# KiCad board control.kicad_pcb (continued)
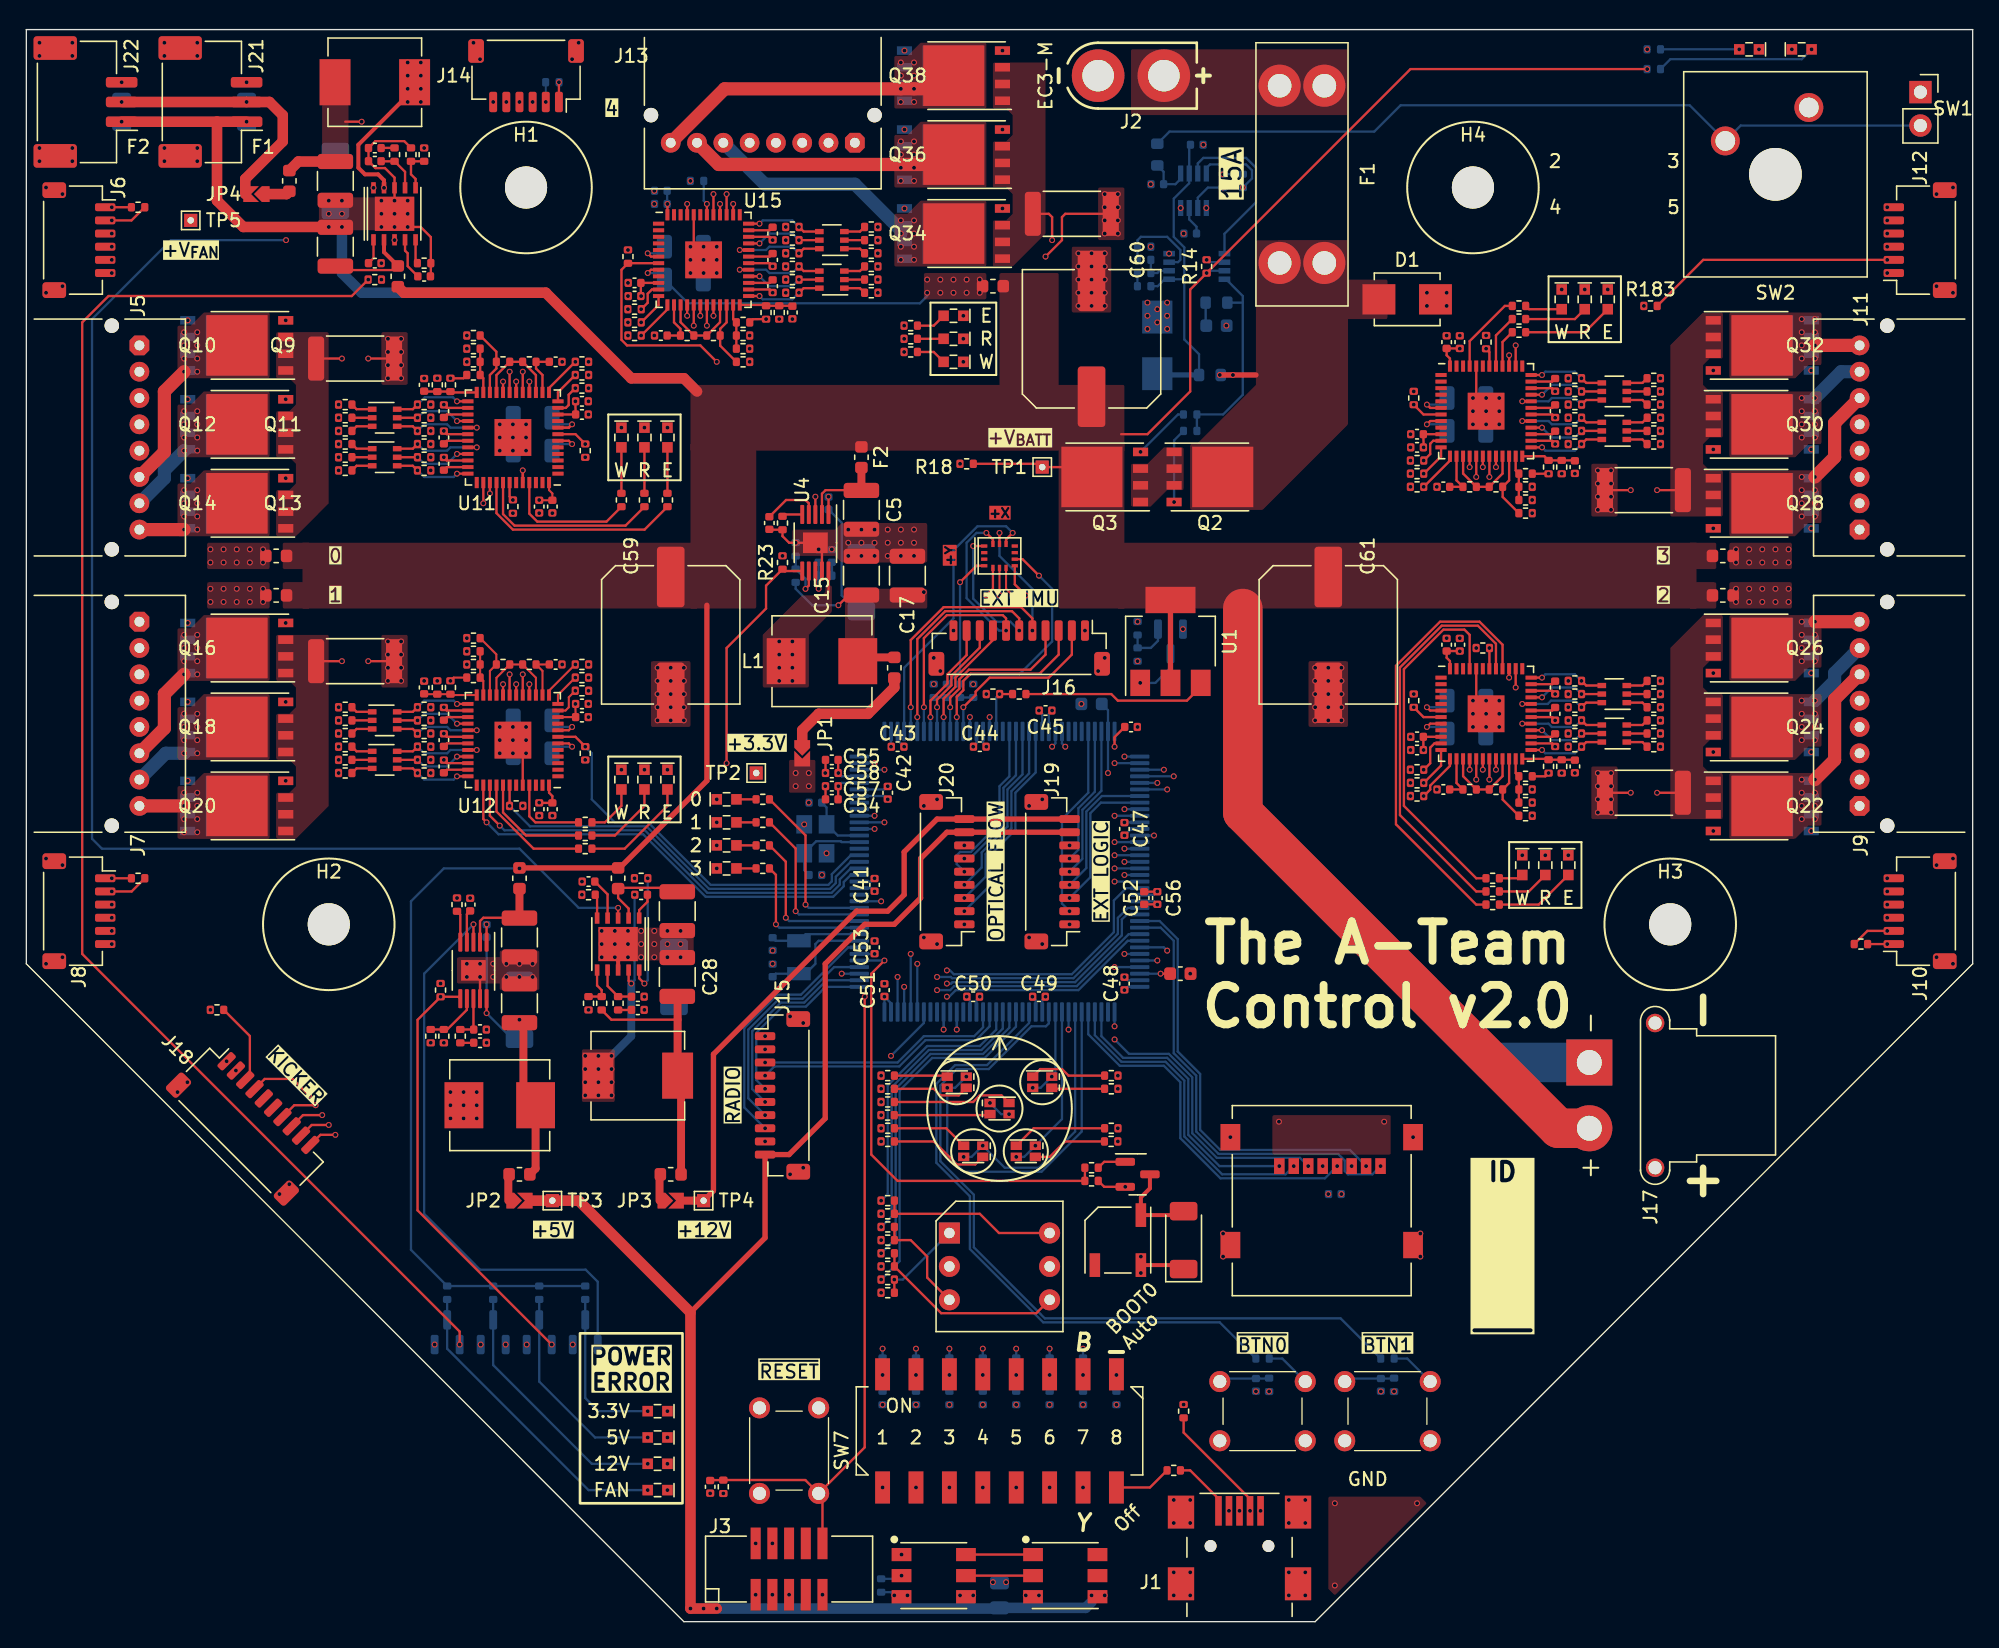
[diagram p0: board, top side]
## Routing (per net, layer and track width the routed paths; a pad name or vN(x,y) marks a point on that pad's centre or on a via; arc(x,y) is an arc through that point) (continued)
/Motors/MotorDRB/LED_{FW_READY}: length 23.8
  Top w0.175: U15.41 v1(52.25,108.5)
  In1.Cu w0.175: v1(66.75,97.5) 64.35,99.9 55.43,99.9 53.45,101.87 53.45,106.3 52.25,107.5 v1(52.25,108.5)
/Motors/MotorDRB/LED_{WARN}: length 24.6
  Top w0.175: U15.45 v1(50.25,107.75)
  In1.Cu w0.175: v1(50.25,107.75) 50.75,107.25 52.07,107.25 53.15,106.18 53.15,101.75 55.3,99.59 63.66,99.59 v1(66.75,96.5)
/Motors/MotorDRB/MOTOR_{U}: length 37
  Top w0.175: U15.34 56.52,105.25 C112.2
  Top w1: J13.8 53.1,116.5 v1(66.5,116.5) v1(67.5,116.5) 69.53,116.5 Q38.5
  In1.Cu w0.175: v1(56.75,105) 56.75,106 52.5,110.25 51.15,110.25 J13.8
  vias: v1(66.5,118.5) v1(66.5,117.5) v1(66.5,115.5) v1(67.5,118.5) v1(67.5,117.5) v1(67.5,115.5)
/Motors/MotorDRB/MOTOR_{V}: length 34.6
  Top w0.175: U15.30 56.52,103.25 C113.2
  Top w1: Q36.5 69.78,110.75 52.65,110.75 J13.7
  In1.Cu w0.175: v1(56.75,103) 57.25,103.5 57.25,106.15 J13.7
  vias: v1(66.5,112.5) v1(66.5,111.5) v1(66.5,110.5) v1(66.5,109.5) v1(67.5,112.5) v1(67.5,111.5) v1(67.5,110.5) v1(67.5,109.5)
/Motors/MotorDRB/MOTOR_{W}: length 31.8
  Top w0.175: U15.26 56.52,101.25 C114.2
  In4.Cu w0.175: J13.6 57.25,108.15 57.25,101.5 v1(56.75,101)
  Bottom w1: v1(66.5,105.5) 66.5,105.75 63,109.25 56.15,109.25 J13.6
  vias: v1(66.5,106.5) v1(66.5,104.5) v1(66.5,103.5) v1(67.5,106.5) v1(67.5,105.5) v1(67.5,104.5) v1(67.5,103.5)
/Motors/MotorDRB/V_{MOTOR}: length 23.6
  Top w0.175: v1(47.25,102.5) 47.5,102.75 U15.8
  Bottom w0.175: v1(47.25,102.5) 48.03,102.5 C106.1 50.33,100.2 67.95,100.2 68.5,100.75 v1(68.5,101)
  vias: v1(68.5,102) v1(69.5,102) v1(69.5,101) v1(70.5,102) v1(70.5,101) v1(71.5,102) v1(71.5,101) v1(72.5,102) v1(72.5,101)
/Motors/MotorFL/ENCODER_{A}: length 37.4
  Top w0.175: U11.17 v1(37.75,95)
  In1.Cu w0.175: v1(6.5,105.5) 11.15,100.85 21,100.85 22.75,99.1 34,99.1 37.75,95.35 v1(37.75,95)
/Motors/MotorFL/ENCODER_{B}: length 36.5
  Top w0.175: U11.18 v1(37.25,94.25)
  In1.Cu w0.175: v1(6.5,104.5) 10.45,100.55 20.88,100.55 22.63,98.8 33.88,98.8 37.25,95.43 v1(37.25,94.25)
/Motors/MotorFL/ENCODER_{Z}: length 35.6
  Top w0.175: U11.19 v1(36.75,95)
  In1.Cu w0.175: v1(36.75,95) 36.75,95.5 33.75,98.5 22.5,98.5 20.75,100.25 9.75,100.25 v1(6.5,103.5)
/Motors/MotorFL/ENCODER_{~{DET}}: length 41.7
  Top w0.175: J6.2 8,106.5 9,107.5 R93.1 ; U11.16 v1(38.25,94.25)
  In1.Cu w0.175: v1(6.5,106.5) 11.84,101.16 21.13,101.16 22.88,99.41 34.13,99.41 38.25,95.28 v1(38.25,94.25)
/Motors/MotorFL/HALL_{1}: length 42.8
  Top w0.175: R94.2 41.24,93.25 41.24,92.47 41.03,92.25 U11.11 ; R94.2 v1(41.75,93.75) 41.75,93.76 R94.2
  In4.Cu w0.175: v1(41.75,93.75) 40.5,93.75 34.5,99.75 12,99.75 11.25,99 11.25,95.65 J5.3
/Motors/MotorFL/HALL_{2}: length 46.3
  Top w0.175: R96.2 41.75,94.76 v1(41.75,94.75) R96.2 ; R96.2 40.42,93.44 U11.12
  In4.Cu w0.175: v1(41.75,94.75) 40,94.75 34.7,100.05 11.87,100.05 10.95,99.13 10.95,95.95 9,94 8.24,94 7.64,93.4 7.64,91.96 J5.4
/Motors/MotorFL/HALL_{3}: length 41.7
  Top w0.175: R98.2 v1(41.75,95.75) 41.75,95.76 R98.2 ; R98.2 39.75,93.76 U11.13
  In4.Cu w0.175: v1(41.75,95.75) 41.25,96.25 39,96.25 34.9,100.35 11.75,100.35 10.65,99.25 10.65,97.05 J5.2
/Motors/MotorFL/I_{SENSE(AMPLIFIED)}: length 6.2
  Top w0.175: U11.21 35.75,94.74 R104.2 R105.1 38.75,94.74 38.75,93.67
/Motors/MotorFL/I_{SENSE(FILTERED)}: length 3.3
  Top w0.175: C71.1 R105.2 38.76,95.24 39.25,94.75 39.25,93.67
/Motors/MotorFL/I_{SENSE(RAW)}: length 12.2
  Top w0.175: R100.1 33.24,94.5 v1(32.25,94.5) R119.1 ; R118.1 v1(24,96)
  In1.Cu w0.175: v1(32.25,94.5) 31.75,95 25,95 v1(24,96)
/Motors/MotorFL/LED_{ERROR}: length 16.6
  Top w0.175: U11.40 35.75,84.25 37,83 47.01,83 R99.1
/Motors/MotorFL/LED_{FW_READY}: length 14.1
  Top w0.175: U11.41 36.25,84.18 37.12,83.3 45.56,83.3 R97.1
/Motors/MotorFL/LED_{WARN}: length 10.1
  Top w0.175: U11.45 38.25,84.21 38.85,83.6 44.11,83.6 R95.1
/Motors/MotorFL/MOTOR_{U}: length 25.6
  Top w0.175: C68.2 31.98,88.25 U11.34
  Top w0.2: v1(31.75,88.5) 31.73,88.5 C68.2 v1(31.75,88.5)
  Top w1: J5.8 v1(12,83)
  In4.Cu w0.2: v1(31.75,88.5) 31.75,87.75 30,86 v1(13,86)
  vias: v1(12,86) v1(12,85) v1(12,84) v1(13,85) v1(13,84) v1(13,83)
/Motors/MotorFL/MOTOR_{V}: length 26.3
  Top w0.175: U11.30 31.98,90.25 C69.2
  In4.Cu w0.175: v1(13,91) 31.25,91 v1(31.75,90.5)
  Bottom w1: v1(12,89) 10.5,87.5 10.5,86.9 J5.7
  vias: v1(12,92) v1(12,91) v1(12,90) v1(13,92) v1(13,90) v1(13,89)
/Motors/MotorFL/MOTOR_{W}: length 31.1
  Top w0.175: U11.26 31.98,92.25 C70.2
  Top w1: J5.6 10.5,88.9 10.5,93.5 v1(12,95)
  In4.Cu w0.175: v1(31.75,92.5) 31.25,93 22.5,93 20.5,95 v1(13,95)
  vias: v1(12,98) v1(12,97) v1(12,96) v1(13,98) v1(13,97) v1(13,96)
/Motors/MotorFL/V_{MOTOR}: length 30.8
  Top w0.2: U11.8 41.25,90.75 v1(41.5,91)
  In4.Cu w0.175: v1(18,80.5) 28.75,80.5 36.25,88 38.5,88 v1(41.5,91)
  Bottom w0.175: v1(41.5,91) 40.47,91 C62.1
  vias: v1(14,81.5) v1(14,80.5) v1(15,81.5) v1(15,80.5) v1(16,81.5) v1(16,80.5) v1(17,81.5) v1(17,80.5) v1(18,81.5)
/Motors/MotorFR/ENCODER_{A}: length 44.7
  Top w0.175: U14.17 v1(110.25,87)
  In1.Cu w0.175: v1(141.5,104.5) 137.3,100.3 126.12,100.3 122.37,96.55 115.62,96.55 113.25,94.18 113.25,87.65 111.8,86.2 110.87,86.2 110.25,86.82 v1(110.25,87)
/Motors/MotorFR/ENCODER_{B}: length 44.4
  Top w0.175: U14.18 v1(110.75,87.75)
  In1.Cu w0.175: v1(110.75,87.75) 110.75,86.75 111,86.5 111.68,86.5 112.95,87.77 112.95,94.3 115.5,96.85 122.25,96.85 126,100.6 136.6,100.6 v1(141.5,105.5)
/Motors/MotorFR/ENCODER_{Z}: length 43.7
  Top w0.175: U14.19 v1(111.25,87)
  In1.Cu w0.175: v1(141.5,106.5) 135.91,100.91 125.87,100.91 122.12,97.16 115.37,97.16 112.65,94.43 112.65,93.25 112.65,87.9 111.75,87 v1(111.25,87)
/Motors/MotorFR/ENCODER_{~{DET}}: length 64.5
  Top w0.175: J12.2 127.51,103.5 R183.1 ; U14.16 v1(109.75,87.75)
  In1.Cu w0.175: v1(141.5,103.5) 138,100 126.25,100 122.5,96.25 115.75,96.25 114.5,95 114.5,88.47 111.93,85.9 110.6,85.9 109.75,86.75 v1(109.75,87.75)
/Motors/MotorFR/HALL_{1}: length 41.2
  Top w0.175: R184.2 106.75,88.74 106.75,89.53 106.97,89.75 U14.11 ; R184.2 106.25,88.24 v1(106.25,88.25) R184.2
  In1.Cu w0.175: v1(106.25,88.25) 107.75,88.25 112.5,83.5 126.5,83.5 128,82 135.98,82 136.75,82.77 136.75,84.35 J11.3
/Motors/MotorFR/HALL_{2}: length 46.3
  Top w0.175: R186.2 v1(106.25,87.25) 106.25,87.24 R186.2 ; R186.2 107.57,88.56 U14.12
  In1.Cu w0.175: v1(106.25,87.25) 107,87.25 111.05,83.2 126.37,83.2 129.57,80 134.41,80 137.05,82.64 137.05,84.02 139.04,86 140,86 140.5,86.5 140.5,87.9 J11.4
/Motors/MotorFR/HALL_{3}: length 41.9
  Top w0.175: R188.2 106.25,86.24 v1(106.25,86.25) R188.2 ; R188.2 108.25,88.24 U14.13
  In1.Cu w0.175: v1(106.25,86.25) 109.6,82.9 126.25,82.9 129.45,79.7 134.54,79.7 137.35,82.52 137.35,83.6 138.75,85 J11.2
/Motors/MotorFR/I_{SENSE(AMPLIFIED)}: length 6.5
  Top w0.175: U14.21 112.25,87.26 R194.2 R195.1 109.25,87.26 U14.15
/Motors/MotorFR/I_{SENSE(FILTERED)}: length 3.5
  Top w0.175: U14.14 108.75,86.74 R195.2 C104.1
/Motors/MotorFR/I_{SENSE(RAW)}: length 13.9
  Top w0.175: R208.1 v1(124,86) ; R209.1 v1(115.75,87.25) 114.52,87.24 R190.1
  In1.Cu w0.175: v1(115.75,87.25) 116.5,86.5 118,86.5 118.5,87 118.5,87.75 119,88.25 121.75,88.25 v1(124,86)
/Motors/MotorFR/LED_{ERROR}: length 2.9
  Top w0.175: R189.1 112.25,97.26 U14.40
/Motors/MotorFR/LED_{FW_READY}: length 4.1
  Top w0.175: U14.41 111.75,97.76 R187.1
/Motors/MotorFR/LED_{WARN}: length 6.2
  Top w0.175: R185.1 112.43,100 109.75,97.32 U14.45
/Motors/MotorFR/MOTOR_{U}: length 25.2
  Top w0.175: C101.2 116.02,93.75 U14.34 ; C101.2 v1(116.25,93.5) 116.27,93.5 C101.2
  Top w1: J11.8 v1(136,97)
  In4.Cu w0.175: v1(135,96) 133,94 116.75,94 v1(116.25,93.5)
  vias: v1(135,99) v1(135,98) v1(135,97) v1(136,99) v1(136,98) v1(136,96)
/Motors/MotorFR/MOTOR_{V}: length 25.2
  Top w0.175: U14.30 116.02,91.75 C102.2 ; C102.2 v1(116.25,91.5) 116.27,91.5 C102.2
  In4.Cu w0.175: v1(135,91) 116.75,91 v1(116.25,91.5)
  Bottom w1: v1(136,93) 138,95 J11.7
  vias: v1(135,93) v1(135,92) v1(135,90) v1(136,92) v1(136,91) v1(136,90)
/Motors/MotorFR/MOTOR_{W}: length 29.2
  Top w0.175: C103.2 116.27,89.5 v1(116.25,89.5) C103.2 ; C103.2 116.02,89.75 U14.26
  Top w1: v1(136,87) 137.5,88.5 137.5,91.1 J11.6
  In4.Cu w0.175: v1(135,87) 128.5,87 126.5,89 116.75,89 v1(116.25,89.5)
  vias: v1(135,86) v1(135,85) v1(135,84) v1(136,86) v1(136,85) v1(136,84)
/Motors/MotorFR/V_{MOTOR}: length 32
  Top w0.175: U14.8 106.75,91.25 v1(106.5,91)
  In4.Cu w0.175: v1(106.5,91) 107.75,89.75 107.75,87 113.25,81.5 v1(130,81.5)
  Bottom w0.175: C95.1 107.53,91 v1(106.5,91)
  vias: v1(130,80.5) v1(131,81.5) v1(131,80.5) v1(132,81.5) v1(132,80.5) v1(133,81.5) v1(133,80.5) v1(134,81.5) v1(134,80.5)
/Power/Power Supply (Logic)/PGOOD_{+3.3V}: length 87.4
  Top w0.175: U4.6 57.64,79.85 R23.2 ; R23.2 56.25,78.74 56.25,77 53.25,74 v1(53.25,65.25) ; R23.2 57.5,80 57.49,80 R23.2 ; U5.3 v1(34,53)
  In1.Cu w0.175: v1(53.25,65.25) 42.75,54.75 35.75,54.75 v1(34,53)
  Bottom w0.175: v1(34,53) 30.25,49.25 30.25,31 34.5,26.75 42.54,26.75 43.45,25.84 Q5.1
/RADIO.BOOT0: length 17.4
  Bottom w0.175: U10.4 61.43,49.75 59.03,47.35 57.25,47.35 54.9,45 54.9,39.78 v1(56.17,38.5)
/RADIO.CTS: length 19.7
  Bottom w0.175: v1(56.17,41.5) 56.87,42.2 66.38,42.2 68.38,44.2 72.2,44.2 73.25,45.25 U10.128
/RADIO.RTS: length 18.8
  Bottom w0.175: v1(56.17,42.5) 66.25,42.5 68.25,44.5 72.07,44.5 72.75,45.18 U10.129
/RADIO.RX: length 13.8
  Bottom w0.175: v1(56.17,40.5) 55.5,41.18 55.5,44.75 57.5,46.75 59.28,46.75 60.78,48.25 U10.1
/RADIO.TX: length 15.5
  Bottom w0.175: v1(56.17,39.5) 55.2,40.48 55.2,44.88 57.37,47.05 59.16,47.05 60.85,48.75 U10.2
/RADIO.~{DET}: length 10.4
  In1.Cu w0.175: v1(56.17,43.5) 57.5,44.82 57.5,46.25 58,46.75 59.5,46.75 v1(62,49.25)
  Bottom w0.175: U10.3 v1(62,49.25)
/RADIO.~{RST}: length 19.6
  Bottom w0.175: v1(56.17,37.5) 54.59,39.08 54.59,45.13 57.12,47.66 58.91,47.66 62.5,51.25 U10.7
/USB_OTG.DM: length 46.8
  In1.Cu w0.175: v1(91.45,8.43) 85.45,14.43 85.45,48.8 v1(83.5,50.75)
  Bottom w0.175: U10.103 v1(83.5,50.75)
/USB_OTG.DP: length 46
  In1.Cu w0.175: v1(86,50.25) 85.75,50 85.75,14.93 v1(92.25,8.43)
  Bottom w0.175: U10.104 v1(86,50.25)
/USB_OTG.ID: length 56.5
  Top w0.175: v1(93.05,8.43) 93.05,9.32 88,14.38 R1.2
  In1.Cu w0.175: v1(93.05,8.43) 86.75,14.72 v1(86.75,51)
  Bottom w0.175: U10.102 86.5,51.25 v1(86.75,51)
/USB_VBUS: length 4.7
  Top w0.175: R74.2 88.5,11.5 90.65,9.35 J1.1
Net-(BZ1-+): length 6.8
  Top w0.3: D8.2 87.7,30.9 BZ1.2 84.75,32.25 85.44,32.94 Q4.3
Net-(C4-Pad1): length 1.8
  Bottom w0.175: R15.2 89.67,98.55 C4.1
Net-(C9-Pad1): length 1
  Bottom w0.175: R19.2 61.26,80.51 C9.1
Net-(C10-Pad1): length 1
  Top w0.175: R20.2 34.01,43.99 C10.1
Net-(C16-Pad1): length 18.7
  Top w0.6: C16.1 37.8,45.22 37.8,40.18 L2.2 38.72,34.44 F5.1
  In1.Cu w0.175: v1(31.75,44) 33.5,45.75 v1(37.5,45.75)
Net-(C22-Pad1): length 1
  Top w0.175: R29.2 46.01,46.49 C22.1
Net-(C23-Pad1): length 1
  Top w0.175: C23.1 26.99,112.01 R30.2
Net-(C28-Pad1): length 19.7
  Top w0.175: R35.1 44.49,45.75 49.53,45.75
  Top w0.6: F8.1 49.79,41.24 L3.2 49.53,47.5 C28.1
Net-(C29-Pad1): length 10.6
  Top w0.175: v1(25.5,114) 24.25,114
  Top w0.8: F9.1 20.69,110.97 C29.1
  In1.Cu w0.175: v1(25.5,114) 28.25,114 v1(30.25,112)
Net-(C31-Pad1): length 3.9
  Bottom w0.175: R62.1 94.47,18.48 C31.1 90.98,18.48 SW4.1
Net-(C32-Pad1): length 3.9
  Bottom w0.175: R72.1 103.97,18.48 C32.1 100.48,18.48 SW5.1
Net-(C33-Pad1): length 25.7
  Top w0.175: C34.1 v1(86.25,49.25)
  In4.Cu w0.175: v1(82.25,64.5) 82.25,64.25 86.25,60.25 86.25,58.32 85,57.07 85,50.5 v1(86.25,49.25)
  Bottom w0.175: v1(82.25,64.5) U10.71 82.25,69.28 C33.1 ; U10.106 v1(86.25,49.25)
Net-(D2-A2): length 24.8
  Bottom w0.175: R6.1 89.17,96.33 88.05,97.45 88.05,104.45 87.25,105.25 87.25,108.15 88.42,109.33 U3.6 88.42,112.16 C1.1 ; R7.1 86.03,101.5 86.55,102.03 U2.1 88.05,102.03
  Bottom w0.4: D2.2 86.1,94.75 R6.1
Net-(D3-K): length 10.5
  Top w0.175: U4.10 61,78.25
  Bottom w0.175: D3.1 63.2,76.8 62,78 62,83.52 C13.2
  vias: v1(57.25,74.5) v1(57.25,73.5) v1(57.25,72.5) v1(57.25,71.5) v1(58.25,74.5) v1(58.25,73.5) v1(58.25,72.5) v1(58.25,71.5)
Net-(D4-K): length 10.2
  Top w0.175: U5.10 v1(35,46.25)
  Bottom w0.175: D4.1 36.95,44.3 v1(35,46.25) C14.2
  vias: v1(32.25,40.25) v1(32.25,39.25) v1(32.25,38.25) v1(33.25,40.25) v1(33.25,39.25) v1(33.25,38.25) v1(34.25,40.25) v1(34.25,39.25) v1(34.25,38.25)
Net-(D5-K): length 14.1
  Top w0.175: v1(46,48.5) 45.8,48.7 U6.9
  Bottom w0.175: v1(46,48.5) 46.25,48.75 v1(46.25,55.25)
  Bottom w0.6: v1(46,48.5) 46,44.5 v1(44.5,43)
  vias: v1(42.5,43) v1(42.5,42) v1(42.5,41) v1(42.5,40) v1(43.5,43) v1(43.5,42) v1(43.5,41) v1(43.5,40) v1(44.5,42) v1(44.5,41) v1(44.5,40)
Net-(D6-K): length 16
  Top w0.3: v1(29,115.5) 28.5,115.5 25.25,112.25 25.25,110.5 25.75,110 26.75,110 27.2,109.55 v1(27.2,108.97)
  In1.Cu w0.175: v1(27.2,108.97) 26.5,108.28 26.5,103.75 v1(27,103.25)
  vias: v1(29,118.5) v1(29,117.5) v1(29,116.5) v1(30,118.5) v1(30,117.5) v1(30,116.5) v1(30,115.5)
Net-(D7-A): length 12.1
  Bottom w0.175: v1(135.75,119.5) 135,118.75 125.01,118.75 R41.2
Net-(D9-A): length 1.5
  Top w0.175: D9.2 R45.2
Net-(D10-A): length 12.7
  Bottom w0.175: R43.2 Q5.3 42.5,17 43.5,16 v1(47.25,16)
Net-(D11-A): length 19.8
  Bottom w0.175: R44.2 Q6.3 35.5,19.5 43,12 v1(47.25,12)
Net-(D12-A): length 1.5
  Top w0.175: R46.2 D12.2
Net-(D13-A): length 1.5
  Top w0.175: D13.2 R47.2
Net-(D14-A): length 1.5
  Top w0.175: R50.2 D14.2
Net-(D15-A): length 16.3
  Bottom w0.175: R48.2 Q7.3 39,18.25 43.25,14 v1(47.25,14)
Net-(D16-A): length 23.4
  Bottom w0.175: R49.2 Q8.3 32,20.75 42.75,10 v1(47.25,10)
Net-(D17-A): length 6
  Bottom w0.175: R51.2 v1(130.25,119.5)
Net-(D18-A1): length 4.1
  Top w0.175: 66,41.5 69.95,41.5 D18.1
Net-(D18-K2): length 5.9
  Top w0.175: D18.4 70.9,40 69.5,40 69,40.5 66,40.5
Net-(D19-A1): length 5.8
  Top w0.175: 66,37.5 69.95,37.5 D19.1
Net-(D19-K2): length 7.7
  Top w0.175: D19.4 72.15,34.75 70.75,34.75 69,36.5 66,36.5
Net-(D20-A1): length 9.2
  Top w0.175: D20.1 74.15,40 72.5,40 72,39.5 66,39.5
Net-(D20-K2): length 7.3
  Top w0.175: R56.2 73.2,38.5 D20.4
Net-(D21-A1): length 5.9
  Top w0.175: D21.1 77.1,42 78.75,42 79.25,41.5 R60.1
Net-(D21-K2): length 4
  Top w0.175: R58.2 78.05,40.5 D21.4
Net-(D22-A1): length 7.3
  Top w0.175: R61.1 76.6,37.5 D22.1
Net-(D22-K2): length 5.7
  Top w0.175: R59.2 79,36.5 77.83,35.32 D22.4
Net-(D23-A): length 3.5
  Top w0.175: D23.2 R95.2
Net-(D24-A): length 3.5
  Top w0.175: R97.2 D24.2
Net-(D25-A): length 3.5
  Top w0.175: R99.2 D25.2
Net-(D26A-A): length 1.7
  Top w0.175: D26.1 25.11,89.15 R113.1
Net-(D26A-K): length 7.2
  Top w0.175: U11.32 v1(34.25,89.25) ; R112.1 29.39,89.15 D26.6 ; R112.1 29.75,89.51 v1(29.75,89.5) R112.1
  Bottom w0.175: v1(34.25,89.25) 32.25,89.25 32,89 30.25,89 v1(29.75,89.5)
Net-(D26B-A): length 1.5
  Top w0.175: R106.1 D26.2
Net-(D26B-K): length 5.9
  Top w0.175: v1(29.75,88.5) R107.1 D26.5 ; v1(32.75,88.75) U11.33
  Bottom w0.175: v1(32.75,88.75) 32,88 30.25,88 v1(29.75,88.5)
Net-(D26C-A): length 1.7
  Top w0.175: R109.1 25.11,87.85 D26.3
Net-(D26C-K): length 5.9
  Top w0.175: R108.1 29.39,87.85 D26.4 ; R108.1 v1(29.75,87.5) 29.75,87.49 R108.1 ; U11.36 v1(32.75,87.25)
  Bottom w0.175: v1(32.75,87.25) 32.5,87 30.25,87 v1(29.75,87.5)
Net-(D27A-A): length 1.7
  Top w0.175: R114.1 25.11,92.15 D27.1
Net-(D27A-K): length 5.9
  Top w0.175: R115.1 29.39,92.15 D27.6 ; v1(32.75,92.75) U11.25
  Bottom w0.175: v1(29.75,92.5) 30.31,93.06 32.44,93.06 v1(32.75,92.75)
Net-(D27B-A): length 1.5
  Top w0.175: D27.2 R117.1
Net-(D27B-K): length 5.9
  Top w0.175: U11.28 v1(32.75,91.25) ; D27.5 R116.1
  Bottom w0.175: v1(29.75,91.5) 30.25,92 32,92 v1(32.75,91.25)
Net-(D27C-A): length 1.7
  Top w0.175: D27.3 25.11,90.85 R110.1
Net-(D27C-K): length 7.2
  Top w0.175: D27.4 29.39,90.85 R111.1 ; R111.1 v1(29.75,90.5) 29.75,90.49 R111.1 ; U11.29 v1(34.25,90.75)
  Bottom w0.175: v1(29.75,90.5) 30.25,91 32,91 32.25,90.75 v1(34.25,90.75)
Net-(D28-A): length 4
  Top w0.175: D28.2 45.25,62 44,60.75 R125.2
Net-(D29-A): length 6.2
  Top w0.175: R127.2 44.75,59.75 47,62 D29.2
Net-(D30-A): length 8.3
  Top w0.175: D30.2 48.75,62 45.5,58.75 R129.2
Net-(D31A-A): length 1.7
  Top w0.175: R143.1 25.11,66.15 D31.1
Net-(D31A-K): length 7.2
  Top w0.175: R142.1 v1(29.75,66.5) 29.75,66.51 R142.1 ; R142.1 29.39,66.15 D31.6 ; U12.32 v1(34.25,66.25)
  Bottom w0.175: v1(29.75,66.5) 30.25,66 32,66 32.25,66.25 v1(34.25,66.25)
Net-(D31B-A): length 1.5
  Top w0.175: D31.2 R136.1
Net-(D31B-K): length 5.9
  Top w0.175: D31.5 v1(29.75,65.5) R137.1 ; U12.33 v1(32.75,65.75)
  Bottom w0.175: v1(29.75,65.5) 30.25,65 32,65 v1(32.75,65.75)
Net-(D31C-A): length 1.7
  Top w0.175: D31.3 25.11,64.85 R139.1
Net-(D31C-K): length 5.9
  Top w0.175: R138.1 29.75,64.49 v1(29.75,64.5) R138.1 ; R138.1 29.39,64.85 D31.4 ; U12.36 v1(32.75,64.25)
  Bottom w0.175: v1(32.75,64.25) 32.5,64 30.25,64 v1(29.75,64.5)
Net-(D32A-A): length 1.7
  Top w0.175: D32.1 25.11,69.15 R144.1
Net-(D32A-K): length 5.9
  Top w0.175: R145.1 29.39,69.15 D32.6 ; R145.1 v1(29.75,69.5) 29.75,69.51 R145.1 ; U12.25 v1(32.75,69.75)
  Bottom w0.175: v1(32.75,69.75) 32.5,70 30.25,70 v1(29.75,69.5)
Net-(D32B-A): length 1.5
  Top w0.175: D32.2 R147.1
Net-(D32B-K): length 5.9
  Top w0.175: U12.28 v1(32.75,68.25) ; D32.5 v1(29.75,68.5) R146.1
  Bottom w0.175: v1(29.75,68.5) 30.25,69 32,69 v1(32.75,68.25)
Net-(D32C-A): length 1.7
  Top w0.175: D32.3 25.11,67.85 R140.1
Net-(D32C-K): length 7.2
  Top w0.175: R141.1 29.39,67.85 D32.4 ; R141.1 v1(29.75,67.5) 29.75,67.49 R141.1 ; U12.29 v1(34.25,67.75)
  Bottom w0.175: v1(29.75,67.5) 30.25,68 32,68 32.25,67.75 v1(34.25,67.75)
Net-(D33-A): length 1.8
  Top w0.175: R155.2 113.5,56.5 D33.2
Net-(D34-A): length 4
  Top w0.175: R157.2 114.25,55.5 D34.2
Net-(D35-A): length 6.2
  Top w0.175: R159.2 115,54.5 D35.2
Net-(D36A-A): length 1.7
  Top w0.175: R173.1 122.89,69.85 D36.1
Net-(D36A-K): length 7.2
  Top w0.175: D36.6 118.61,69.85 R172.1 ; U13.32 v1(113.75,69.75)
  Bottom w0.175: v1(113.75,69.75) 115.69,69.75 115.94,70 117.75,70 v1(118.25,69.5)
Net-(D36B-A): length 1.5
  Top w0.175: D36.2 R166.1
Net-(D36B-K): length 5.9
  Top w0.175: D36.5 R167.1 ; U13.33 v1(115.25,70.25)
  Bottom w0.175: v1(118.25,70.5) 117.75,71 116,71 v1(115.25,70.25)
Net-(D36C-A): length 1.7
  Top w0.175: D36.3 122.89,71.15 R169.1
Net-(D36C-K): length 5.8
  Top w0.175: U13.36 v1(115.25,71.75) ; R168.1 118.61,71.15 D36.4
  Bottom w0.175: v1(118.25,71.5) 117.75,72 115.5,72 v1(115.25,71.75)
Net-(D37A-A): length 1.7
  Top w0.175: R174.1 122.89,66.85 D37.1
Net-(D37A-K): length 5.8
  Top w0.175: U13.25 v1(115.25,66.25) ; R175.1 118.61,66.85 D37.6
  Bottom w0.175: v1(118.25,66.5) 117.75,66 115.5,66 v1(115.25,66.25)
Net-(D37B-A): length 1.5
  Top w0.175: D37.2 R177.1
Net-(D37B-K): length 5.9
  Top w0.175: U13.28 v1(115.25,67.75) ; D37.5 R176.1
  Bottom w0.175: v1(115.25,67.75) 116,67 117.75,67 v1(118.25,67.5)
Net-(D37C-A): length 1.7
  Top w0.175: D37.3 122.89,68.15 R170.1
Net-(D37C-K): length 7.2
  Top w0.175: D37.4 118.61,68.15 R171.1 ; U13.29 v1(113.75,68.25)
  Bottom w0.175: v1(113.75,68.25) 115.75,68.25 116,68 117.75,68 v1(118.25,68.5)
Net-(D38-A): length 2.8
  Top w0.175: D38.2 114.26,99.75 R185.2
Net-(D39-A): length 4.8
  Top w0.175: D39.2 117.75,99 R187.2
Net-(D40-A): length 7
  Top w0.175: R189.2 118.5,98 D40.2
Net-(D41A-A): length 1.7
  Top w0.175: D41.1 122.89,92.85 R203.1
Net-(D41A-K): length 7.2
  Top w0.175: R202.1 118.61,92.85 D41.6 ; R202.1 v1(118.25,92.5) 118.25,92.49 R202.1 ; U14.32 v1(113.75,92.75)
  Bottom w0.175: v1(113.75,92.75) 115.75,92.75 116,93 117.75,93 v1(118.25,92.5)
Net-(D41B-A): length 1.5
  Top w0.175: D41.2 R196.1
Net-(D41B-K): length 5.9
  Top w0.175: D41.5 v1(118.25,93.5) R197.1 ; U14.33 v1(115.25,93.25)
  Bottom w0.175: v1(118.25,93.5) 117.75,94 116,94 v1(115.25,93.25)
Net-(D41C-A): length 1.7
  Top w0.175: D41.3 122.89,94.15 R199.1
Net-(D41C-K): length 5.9
  Top w0.175: D41.4 118.61,94.15 R198.1 ; R198.1 118.25,94.51 v1(118.25,94.5) R198.1 ; U14.36 v1(115.25,94.75)
  Bottom w0.175: v1(118.25,94.5) 117.75,95 115.5,95 v1(115.25,94.75)
Net-(D42A-A): length 1.7
  Top w0.175: D42.1 122.89,89.85 R204.1
Net-(D42A-K): length 5.9
  Top w0.175: R205.1 v1(118.25,89.5) 118.25,89.49 R205.1 ; R205.1 118.61,89.85 D42.6 ; U14.25 v1(115.25,89.25)
  Bottom w0.175: v1(115.25,89.25) 115.5,89 117.75,89 v1(118.25,89.5)
Net-(D42B-A): length 1.5
  Top w0.175: D42.2 R207.1
Net-(D42B-K): length 5.9
  Top w0.175: R206.1 v1(118.25,90.5) D42.5 ; U14.28 v1(115.25,90.75)
  Bottom w0.175: v1(115.25,90.75) 116,90 117.75,90 v1(118.25,90.5)
Net-(D42C-A): length 1.7
  Top w0.175: R200.1 122.9,91.15 D42.3
Net-(D42C-K): length 7.2
  Top w0.175: R201.1 118.61,91.15 D42.4 ; R201.1 118.25,91.51 v1(118.25,91.5) R201.1 ; U14.29 v1(113.75,91.25)
  Bottom w0.175: v1(118.25,91.5) 117.75,91 116,91 115.75,91.25 v1(113.75,91.25)
Net-(D43-A): length 2.3
  Top w0.175: D43.2 69,96.5 R215.2
Net-(D44-A): length 2
  Top w0.175: R217.2 D44.2
Net-(D45-A): length 2.3
  Top w0.175: D45.2 69,98.5 R219.2
Net-(D46A-A): length 1.7
  Top w0.175: D46.1 63.39,104.35 R233.1
Net-(D46A-K): length 7.2
  Top w0.175: U15.32 v1(54.25,104.25) ; R232.1 59.11,104.35 D46.6
  Bottom w0.175: v1(58.75,104) 58.25,104.5 56.5,104.5 56.25,104.25 v1(54.25,104.25)
Net-(D46B-A): length 1.5
  Top w0.175: D46.2 R226.1
Net-(D46B-K): length 5.9
  Top w0.175: U15.33 v1(55.75,104.75) ; D46.5 R227.1
  Bottom w0.175: v1(58.75,105) 58.25,105.5 56.5,105.5 v1(55.75,104.75)